# KiCad board rosco_m68k_keyboard-2.kicad_pcb (continued)
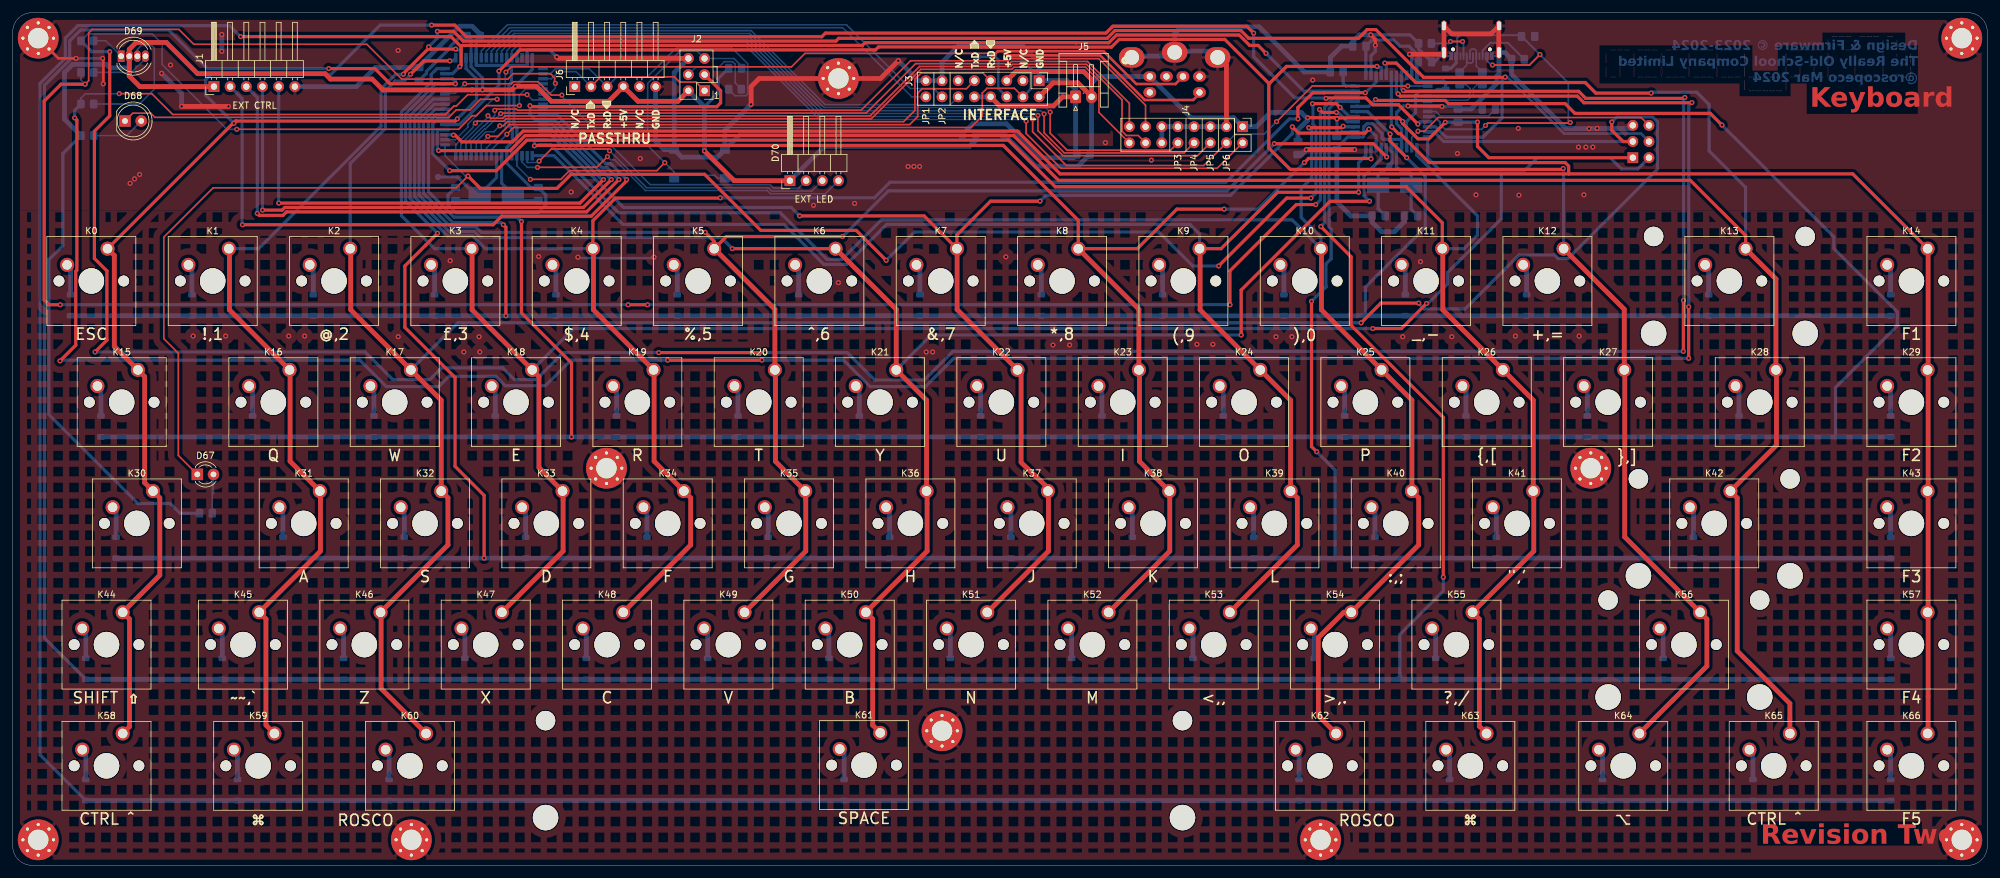
[diagram p0: board, top side]
## Routing (per net, layer and track width the routed paths; a pad name or vN(x,y) marks a point on that pad's centre or on a via; arc(x,y) is an arc through that point) (continued)
/SCL: length 142.4
  Top w0.25: J3.4 157.25,122.13 152.97,122.13 152.22,121.38 152.22,117.78 150.41,115.97 78.65,115.97 v1(77.58,114.9)
  Top w0.4: 186.32,121.28 185.32,120.28 177.74,120.28 170.72,127.3 156.06,127.3 v1(155.92,127.16)
  Bottom w0.25: J3.4 159.99,122.16 159.99,125.16 157.92,127.23 ; v1(77.58,114.9) 75.16,112.48 U1.25
  Bottom w0.4: J3.4 159.83,122.01 159.83,125.17 TP3.1 156,127.08 v1(155.92,127.16)
/SDA: length 134.9
  Top w0.25: v1(77.43,124.65) 78.28,125.5 122.27,125.5 124.38,127.61 153.73,127.61 v1(154.02,127.31)
  Top w0.4: J9.1 182.54,122.8 176.4,122.8 171.26,127.94 154.65,127.94 v1(154.02,127.31)
  Bottom w0.25: U1.26 74.36,112.71 77.33,115.68 77.33,124.55 v1(77.43,124.65)
  Bottom w0.4: J3.6 154.75,122.09 154.75,126.58 v1(154.02,127.31) 153.79,127.08 TP4.1
/SS: length 103.2
  Top w0.5: v1(96.37,107.78) 96.37,107.56 90.82,102.02 76.76,102.02 75.42,100.68 v1(36.07,100.68)
  Bottom w0.5: v1(96.37,107.78) 93.83,110.32 93.07,110.32 85.37,118.02 83.26,118.02 ; v1(36.07,100.68) 36,100.75 36,120.52 J1.2
/TXD: length 90.8
  Top w0.25: v1(76.47,116.23) 77.01,116.23 77.65,116.87 139.86,116.87 141.63,118.64 141.63,123.54 142.59,124.5 152.34,124.5 J3.7
  Bottom w0.25: v1(76.47,116.23) 75.53,115.28 74.29,115.28 72.76,113.75 72.76,111.52
/U1_DISABLE: length 159.8
  Top w0.25: J4.4 186.98,109.98 165.42,109.98 160.12,115.28 v1(160.12,117.31) ; v1(219.02,122.48) 204.02,122.48 v1(198.42,116.88)
  Bottom w0.25: v1(198.42,116.88) 196.48,114.93 191.94,114.93 J4.4 ; U1.60 78.36,128 79.74,129.38 115.16,129.38 126.86,117.69 159.74,117.69 v1(160.12,117.31) ; U2.1 219.03,122.47 v1(219.02,122.48)
/UART_MODE_JP_I: length 79.8
  Bottom w0.25: U1.54 73.56,128 77.65,132.09 130.91,132.09 140.91,122.09 144.59,122.09 J3.14
/UART_SPEED_JP_I: length 76.1
  Bottom w0.25: U1.55 74.36,128 78,131.64 130.29,131.64 141.16,120.78 J3.16
/USBD+: length 10.2
  Bottom w0.2: R13.1 229.88,122.68 229.28,122.07 229.28,121.13 228.39,120.24 223.44,120.24 223.27,120.07 U2.4
/USBD-: length 9.7
  Bottom w0.2: U2.3 223.27,120.87 223.44,120.69 228.21,120.69 228.83,121.31 228.82,121.32 228.82,122.08 228.24,122.66 R12.1
Net-(D0-A): length 4.9
  Bottom w0.75: K0.2 9.08,93.82 D0.2
Net-(D1-A): length 4.9
  Bottom w0.75: D1.2 28.13,93.82 K1.2
Net-(D2-A): length 4.9
  Bottom w0.75: 47.18,89.67 47.18,93.82 K2.2
Net-(D3-A): length 4.9
  Bottom w0.75: 66.23,89.67 66.23,93.82 K3.2
Net-(D4-A): length 7
  Bottom w0.25: D4.2 85.28,91.75 85.28,91.75
  Bottom w0.75: 85.28,89.67 85.28,93.82 K4.2
Net-(D5-A): length 4.9
  Bottom w0.75: D5.2 104.33,93.82 K5.2
Net-(D6-A): length 4.9
  Bottom w0.75: K6.2 123.38,93.82 123.38,89.67
Net-(D7-A): length 4.9
  Bottom w0.75: K7.2 142.43,93.82 D7.2
Net-(D8-A): length 7
  Bottom w0.25: 161.48,91.75 161.48,91.75 D8.2
  Bottom w0.75: 161.48,89.67 161.48,93.82 K8.2
Net-(D9-A): length 7
  Bottom w0.25: 180.53,91.75 180.53,91.75 D9.2
  Bottom w0.75: 179.98,94.37 180.53,93.82 D9.2
Net-(D10-A): length 4.9
  Bottom w0.75: 199.58,89.67 199.58,93.82 K10.2
Net-(D11-A): length 4.9
  Bottom w0.75: K11.2 218.63,93.82 D11.2
Net-(D12-A): length 4.9
  Bottom w0.75: K12.2 237.68,93.82 237.68,89.67
Net-(D13-A): length 4.9
  Bottom w0.75: K13.2 266.26,93.82 D13.2
Net-(D14-A): length 7
  Bottom w0.25: 294.83,91.75 294.83,91.75 D14.2
  Bottom w0.75: D14.2 294.83,93.82 294.28,94.37
Net-(D15-A): length 4.9
  Bottom w0.75: K15.2 13.85,74.77 D15.2
Net-(D16-A): length 4.9
  Bottom w0.75: D16.2 37.66,74.77 K16.2
Net-(D17-A): length 4.9
  Bottom w0.75: D17.2 56.71,74.77 K17.2
Net-(D18-A): length 4.9
  Bottom w0.75: D18.2 75.76,74.77 K18.2
Net-(D19-A): length 4.9
  Bottom w0.75: D19.2 94.81,74.77 K19.2
Net-(D20-A): length 4.9
  Bottom w0.75: K20.2 113.86,74.77 D20.2
Net-(D21-A): length 4.9
  Bottom w0.75: K21.2 132.91,74.77 D21.2
Net-(D22-A): length 4.9
  Bottom w0.75: K22.2 151.96,74.77 D22.2
Net-(D23-A): length 4.9
  Bottom w0.75: K23.2 171.01,74.77 D23.2
Net-(D24-A): length 4.9
  Bottom w0.75: K24.2 190.06,74.77 D24.2
Net-(D25-A): length 4.9
  Bottom w0.75: D25.2 209.11,74.77 K25.2
Net-(D26-A): length 4.9
  Bottom w0.75: K26.2 228.16,74.77 D26.2
Net-(D27-A): length 4.9
  Bottom w0.75: D27.2 247.21,74.77 K27.2
Net-(D28-A): length 5.6
  Bottom w0.25: 271.02,71.67 271.02,71.67 D28.2
  Bottom w0.75: 270.75,75.05 271.02,74.77 271.02,70.62
Net-(D29-A): length 4.9
  Bottom w0.75: K29.2 294.83,74.77 D29.2
Net-(D30-A): length 4.9
  Bottom w0.75: D30.2 16.23,55.72 K30.2
Net-(D31-A): length 5.6
  Bottom w0.25: 42.42,52.62 42.42,52.62 D31.2
  Bottom w0.75: 42.42,51.57 42.42,55.72 42.15,56
Net-(D32-A): length 5.6
  Bottom w0.25: 61.47,52.62 D32.2
  Bottom w0.75: 61.2,56 61.47,55.72 D32.2
Net-(D33-A): length 5.6
  Bottom w0.25: D33.2 80.52,52.62 80.52,52.62
  Bottom w0.75: 80.25,56 80.52,55.72 80.52,51.57
Net-(D34-A): length 5.6
  Bottom w0.25: 99.57,52.62 D34.2
  Bottom w0.75: D34.2 99.57,55.72 99.3,56
Net-(D35-A): length 5.6
  Bottom w0.25: D35.2 118.62,52.62 118.62,52.62
  Bottom w0.75: 118.35,56 118.62,55.72 118.62,51.57
Net-(D36-A): length 5.6
  Bottom w0.25: 137.67,52.62 D36.2
  Bottom w0.75: 137.4,56 137.67,55.72 D36.2
Net-(D37-A): length 7
  Bottom w0.25: 156.72,53.65 156.72,53.65 D37.2
  Bottom w0.75: K37.2 156.72,55.72 156.72,51.57
Net-(D38-A): length 5.6
  Bottom w0.25: 175.77,52.62 D38.2
  Bottom w0.75: D38.2 175.77,55.72 175.5,56
Net-(D39-A): length 5.6
  Bottom w0.25: 194.82,52.62 194.82,52.62 D39.2
  Bottom w0.75: 194.55,56 194.82,55.72 194.82,51.57
Net-(D40-A): length 5.6
  Bottom w0.25: 213.87,52.62 D40.2
  Bottom w0.75: 213.6,56 213.87,55.72 D40.2
Net-(D41-A): length 5.6
  Bottom w0.25: 232.92,52.62 232.92,52.62 D41.2
  Bottom w0.75: 232.92,51.57 232.92,55.72 232.65,56
Net-(D42-A): length 4.9
  Bottom w0.75: K42.2 263.88,55.72 D42.2
Net-(D43-A): length 4.9
  Bottom w0.75: D43.2 294.83,55.72 K43.2
Net-(D44-A): length 4.9
  Bottom w0.75: D44.2 11.46,36.67 K44.2
Net-(D45-A): length 4.9
  Bottom w0.75: D45.2 32.9,36.67 K45.2
Net-(D46-A): length 5.6
  Bottom w0.25: 51.95,33.57 D46.2
  Bottom w0.75: 51.67,36.95 51.95,36.67 D46.2
Net-(D47-A): length 5.6
  Bottom w0.25: 71,33.57 D47.2
  Bottom w0.75: 70.72,36.95 71,36.67 D47.2
Net-(D48-A): length 5.6
  Bottom w0.25: 90.05,33.57 D48.2
  Bottom w0.75: D48.2 90.05,36.67 89.77,36.95
Net-(D49-A): length 5.6
  Bottom w0.25: 109.1,33.57 D49.2
  Bottom w0.75: D49.2 109.1,36.67 108.82,36.95
Net-(D50-A): length 5.6
  Bottom w0.25: 128.15,33.57 D50.2
  Bottom w0.75: D50.2 128.15,36.67 127.87,36.95
Net-(D51-A): length 5.6
  Bottom w0.25: 147.2,33.57 D51.2
  Bottom w0.75: D51.2 147.2,36.67 146.92,36.95
Net-(D52-A): length 5.6
  Bottom w0.25: 166.25,33.57 D52.2
  Bottom w0.75: D52.2 166.25,36.67 165.97,36.95
Net-(D53-A): length 5.6
  Bottom w0.25: 185.3,33.57 D53.2
  Bottom w0.75: 185.02,36.95 185.3,36.67 D53.2
Net-(D54-A): length 7
  Bottom w0.25: 204.35,34.6 D54.2
  Bottom w0.75: D54.2 204.35,36.67 K54.2
Net-(D55-A): length 5.6
  Bottom w0.25: 223.4,33.57 D55.2
  Bottom w0.75: D55.2 223.4,36.67 223.12,36.95
Net-(D56-A): length 4.9
  Bottom w0.75: K56.2 259.11,36.67 D56.2
Net-(D57-A): length 4.9
  Bottom w0.75: D57.2 294.83,36.67 K57.2
Net-(D58-A): length 4.9
  Bottom w0.75: D58.2 11.46,17.62 K58.2
Net-(D59-A): length 4.9
  Bottom w0.75: D59.2 35.28,17.62 K59.2
Net-(D60-A): length 5.6
  Bottom w0.25: 59.09,14.52 D60.2
  Bottom w0.75: D60.2 59.09,17.62 58.81,17.9
Net-(D61-A): length 4.9
  Bottom w0.75: D61.2 130.53,17.62 129.98,18.17
Net-(D62-A): length 4.9
  Bottom w0.75: K62.2 201.96,17.62 D62.2
Net-(D63-A): length 4.9
  Bottom w0.75: D63.2 225.59,17.62 K63.2
Net-(D64-A): length 5.6
  Bottom w0.25: 249.59,14.52 D64.2
  Bottom w0.75: D64.2 249.59,17.62 249.31,17.9
Net-(D65-A): length 5.6
  Bottom w0.25: 273.21,14.52 D65.2
  Bottom w0.75: D65.2 273.21,17.62 272.94,17.9
Net-(D66-A): length 4.9
  Bottom w0.75: K66.2 294.83,17.62 D66.2
Net-(D67-A): length 9.1
  Bottom w0.25: D67.2 31.52,58.48 31.32,58.29 ; R3.1 31.32,58.29 ; 31.32,58.29 31.32,61.24
Net-(D68-A): length 8.4
  Bottom w0.25: R4.1 17.86,114.68 D68.2
Net-(D69-BK): length 21.1
  Bottom w0.25: D69.3 19.56,128.22 20.22,128.88 21.77,128.88 22.22,128.43 22.22,121.98 19.89,119.65 R7.1
Net-(D69-GK): length 9.1
  Bottom w0.25: 20.83,126.81 18.63,124.6 17.39,124.6 17.37,124.62 R6.1
Net-(D69-RK): length 5.3
  Bottom w0.25: D69.1 14.61,129.58 R5.1
Net-(J2-Pin_4): length 12.7
  Bottom w0.25: J2.4 107.25,125.45 110.87,125.45 111.73,126.31 113.02,126.31 113.42,125.91 113.42,122.98 114.41,121.99
Net-(J7-CC1): length 7.4
  Top w0.3: v1(227.62,129.48) v1(225.72,129.48)
  Bottom w0.3: v1(227.62,129.48) 227.77,129.33 J7.A5 ; R9.1 225.42,129.18 v1(225.72,129.48)
Net-(J7-CC2): length 9
  Bottom w0.3: R8.1 234.72,129.28 231.99,129.28 230.77,128.06 J7.B5
Net-(J7-D+-PadA6): length 5.8
  Bottom w0.25: J7.A6 228.77,128.02 229.03,128.28 229.52,128.28 229.77,128.03 J7.B6 229.77,125.63 R13.2
Net-(J7-D--PadA7): length 6.3
  Bottom w0.25: 227.59,124.66 R12.2 228.27,125.76 J7.B7 228.27,126.34 228.49,126.12 229.05,126.12 229.27,126.34 J7.A7
Net-(U1-XTAL2): length 11.2
  Bottom w0.5: 82.5,104.45 79.51,104.45 76.76,107.21 76.76,111.52
Net-(U2-UCAP): length 11.4
  Bottom w0.25: C15.1 231.73,117.78 224.1,117.78 223.42,118.47 U2.6
Net-(U2-XTAL2): length 12.7
  Bottom w0.5: C14.1 219.55,103.11 219.55,106.83 ; U2.16 217.24,109.81 217.97,109.08 219.22,109.08 219.55,108.75 Y2.2
Net-(U2-~{HWB}/PE2): length 3.8
  Bottom w0.5: U2.33 209.32,122.47 208.87,122.91 R14.2

## Copper pours and planes (outline as drawn; the poured copper is in the pictures)
GND on Top, Bottom: 1.12,132.88 1.12,102.88 309.12,102.88 309.12,132.88
GND on Top, Bottom: 309.12,132.88 309.12,0.88 1.12,0.88 1.12,132.88

## Text on the board
Bottom: Design & Firmware © 2023-2024 / The Really Old-School Company Limited / @roscopeco Mar 2024
B.Silkscreen: 1 | RESET | 2.10.20230309
Top: Revision Two | Keyboard
F.Silkscreen: EXT CTRL | 1 | EXT LED | JP1 | JP2 | JP3 | JP4 | JP5 | JP6 | N/C | TxD | RxD | +5V | GND | PASSTHRU | INTERFACE
